# Altium PCB Main_Board.PcbDoc (part 9 of 19) (continued)
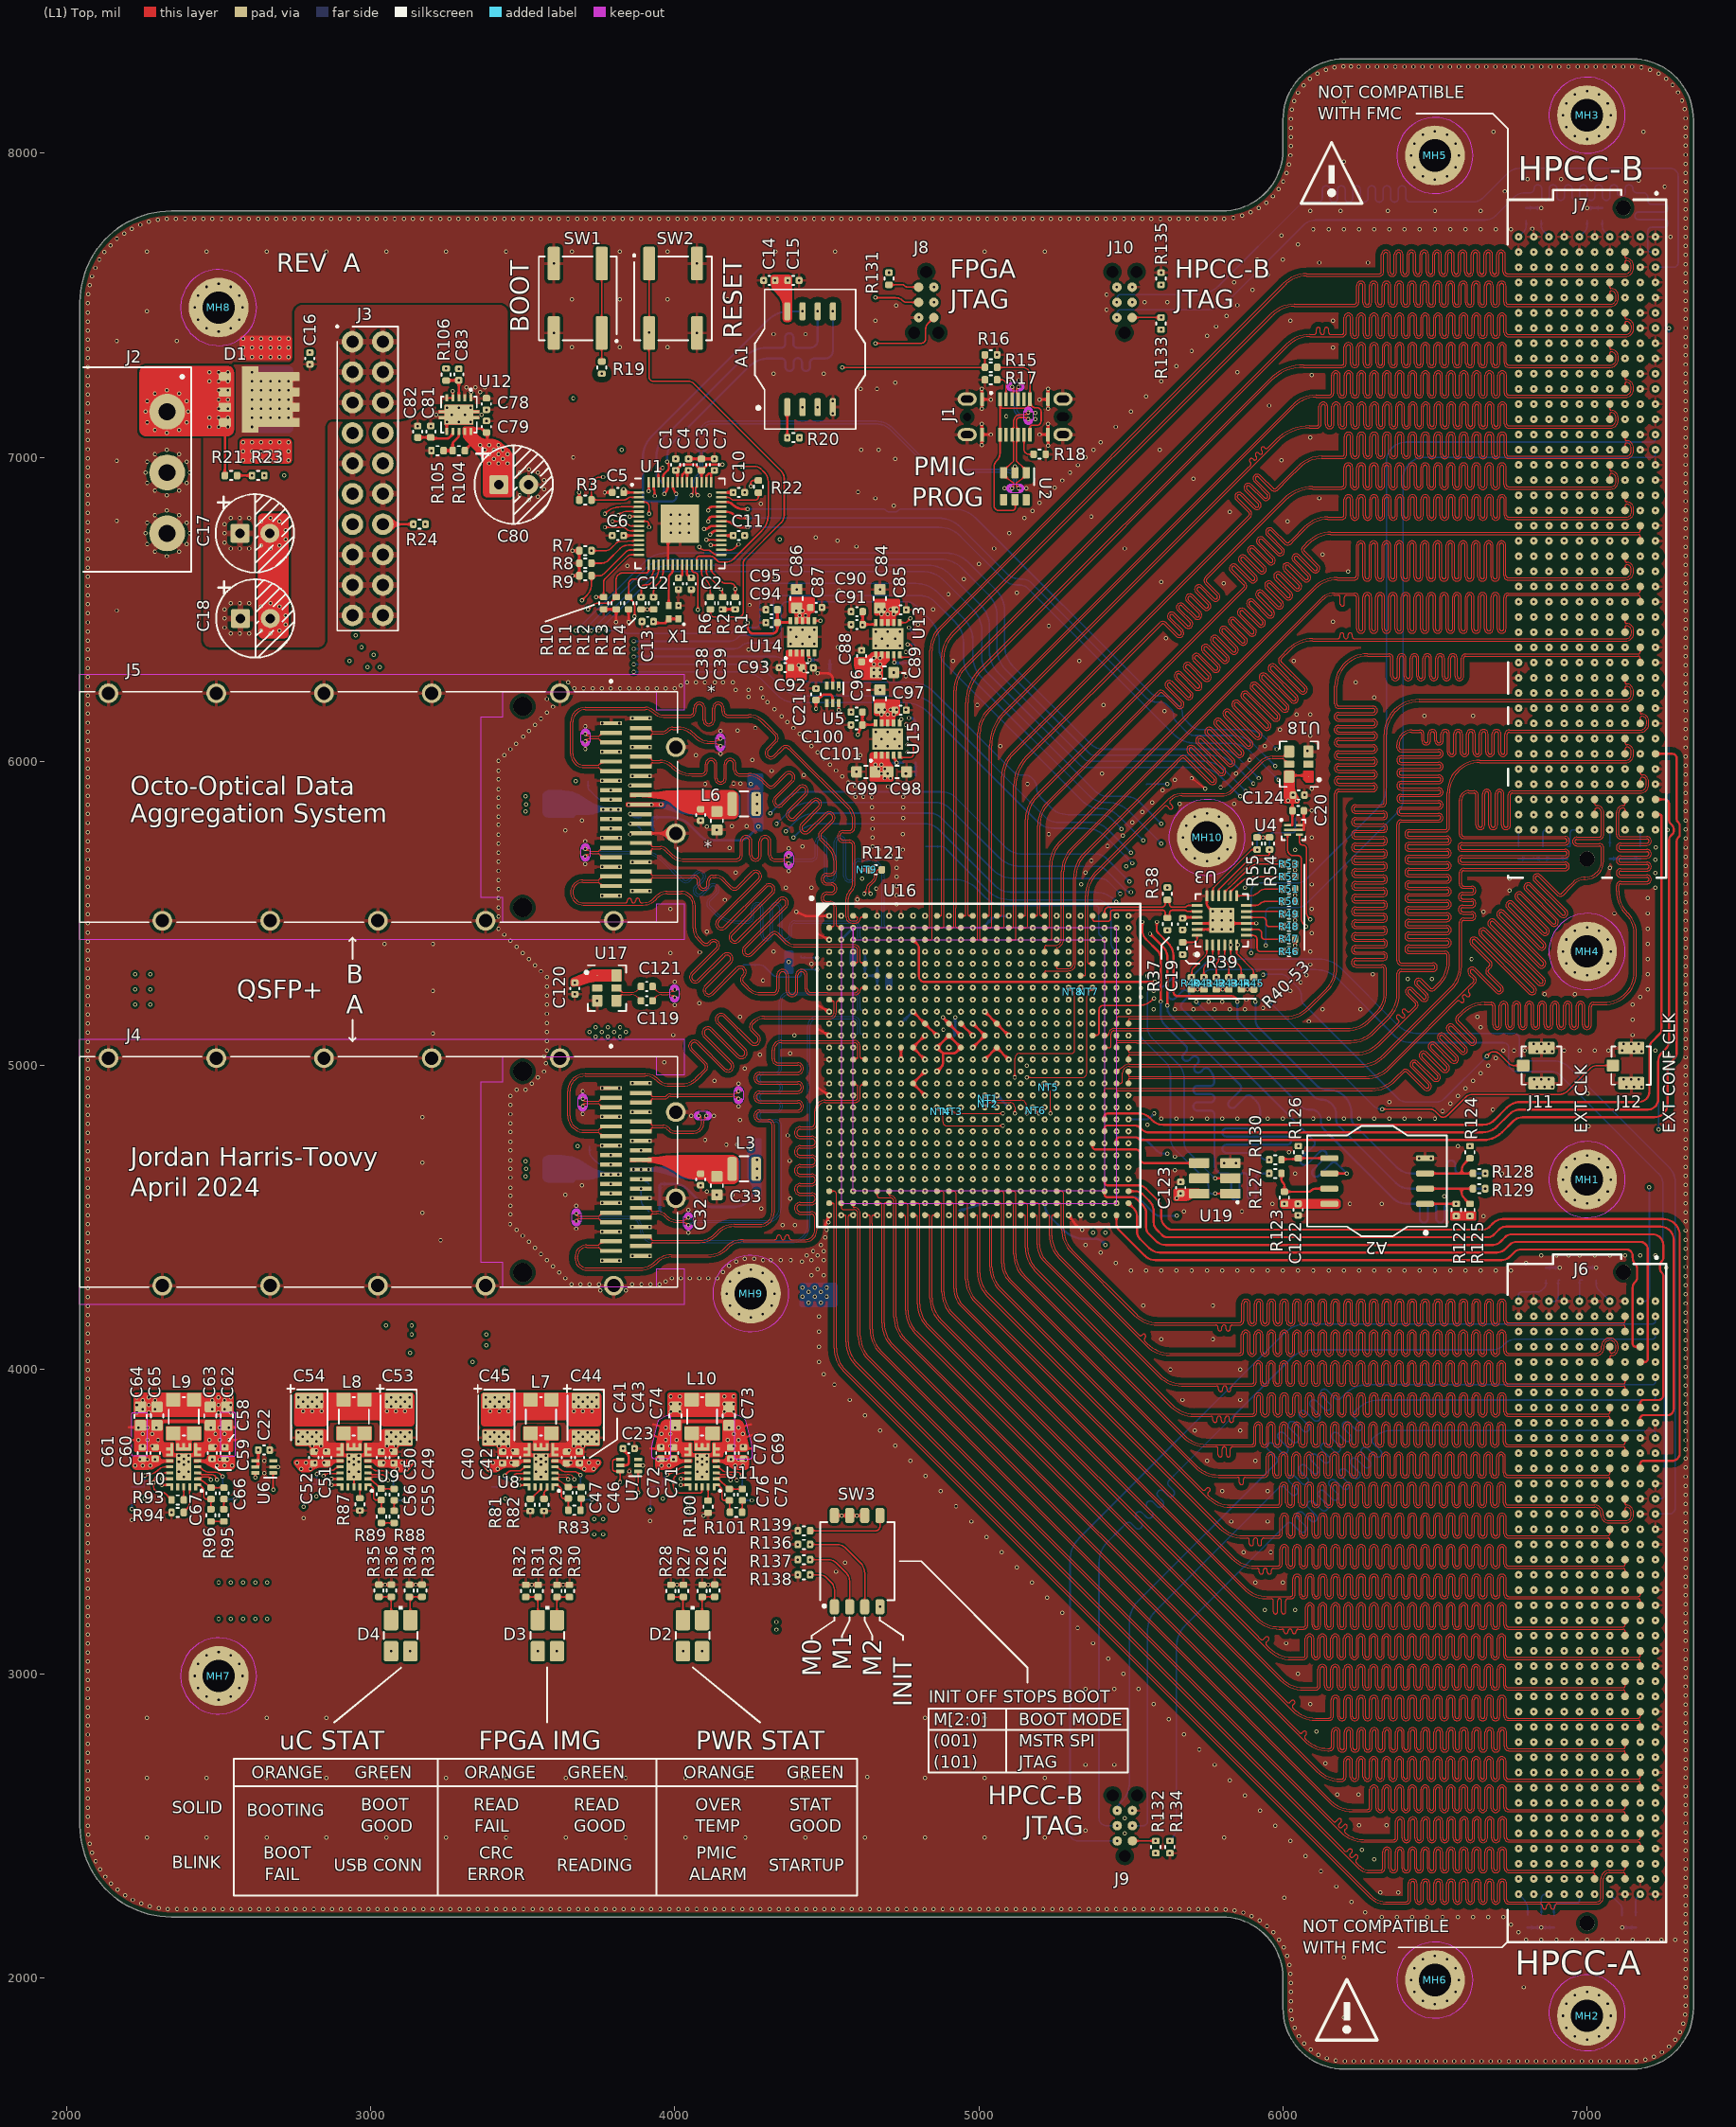
[diagram p0: (L1) Top view]
## Nets (pads, with @x,y where several pads share a name; then routed paths per layer and width w, separated by ;. In a path a pad name is that pad's centre, name@x,y a point inside that pad or via, vN(x,y) a via of type N, cw(c..) or ccw(c..) an arc to the next point about the centre after c; other vN are vias at no path point) (continued)
HPCC_A_63_P: J6.J2 U16.V18 | length 4011.7
  (L8) Inner 7 w3.5: v1(5177.17,4822.83) 5177.17,4809.39 ccw(c5186.9,4809.39) 5186.9,4799.65 5295,4799.65 cw(c5295,4783.2) 5311.45,4783.2 5311.45,4483.77 cw(c5308.97,4483.77) 5310.72,4482.02 ccw(c5312.47,4480.27) 5310,4480.27 5310,4411.19 ccw(c5391.19,4411.19) 5333.78,4353.78 5510.49,4177.07 ccw(c5587.42,4254) 5587.42,4145.2 6180,4145.2 6207.35,4145.2 ccw(c6207.35,4160.75) 6222.9,4160.75 6222.9,4217.61 cw(c6229.65,4217.61) 6236.4,4217.61 6236.4,4159.9 ccw(c6251.95,4159.9) 6267.5,4159.9 6267.5,4217.61 cw(c6274.25,4217.61) 6281,4217.61 6281,4159.9 ccw(c6296.55,4159.9) 6312.1,4159.9 6312.1,4217.61 cw(c6318.85,4217.61) 6325.6,4217.61 6325.6,4159.9 ccw(c6341.15,4159.9) 6356.7,4159.9 6356.7,4217.61 cw(c6363.45,4217.61) 6370.2,4217.61 6370.2,4159.9 ccw(c6385.75,4159.9) 6401.3,4159.9 6401.3,4217.61 cw(c6408.05,4217.61) 6414.8,4217.61 6414.8,4159.9 ccw(c6430.35,4159.9) 6445.9,4159.9 6445.9,4217.61 cw(c6452.65,4217.61) 6459.4,4217.61 6459.4,4159.9 ccw(c6474.95,4159.9) 6490.5,4159.9 6490.5,4217.61 cw(c6497.25,4217.61) 6504,4217.61 6504,4159.9 ccw(c6519.55,4159.9) 6535.1,4159.9 6535.1,4217.61 cw(c6541.85,4217.61) 6548.6,4217.61 6548.6,4159.9 ccw(c6564.15,4159.9) 6579.7,4159.9 6579.7,4217.61 cw(c6586.45,4217.61) 6593.2,4217.61 6593.2,4159.9 ccw(c6608.75,4159.9) 6624.3,4159.9 6624.3,4217.61 cw(c6631.05,4217.61) 6637.8,4217.61 6637.8,4159.9 ccw(c6653.35,4159.9) 6668.9,4159.9 6668.9,4217.61 cw(c6675.65,4217.61) 6682.4,4217.61 6682.4,4159.9 ccw(c6697.95,4159.9) 6713.5,4159.9 6713.5,4217.61 cw(c6720.25,4217.61) 6727,4217.61 6727,4160.75 ccw(c6742.55,4160.75) 6742.55,4145.2 6771,4145.2 6778.8,4145.2 cw(c6778.8,4129) 6795,4129 6795,4119.2 ccw(c6819,4119.2) 6819,4095.2 6833,4095.2 ccw(c6833,4118) 6855.8,4118 6855.8,4129 ccw(c6830,4129) 6830,4154.8 cw(c6830,4159.8) 6825,4159.8 v1(6825,4175)
HPCC_A_64_N: J6.J7 U16.W16 | length 4161.5
  (L3) Inner 2 w3.5: v1(5098.43,4783.46) 5085.92,4783.46 ccw(c5085.92,4779.96) 5083.44,4782.44 ccw(c5085.92,4779.96) 5082.42,4779.96 5082.42,4359.01 ccw(c5182.42,4359.01) 5111.7,4288.3 5416.71,3983.29 ccw(c5487.42,4054) 5487.42,3954 6088,3954 6111.75,3954 ccw(c6111.75,3960.75) 6118.5,3960.75 6118.5,3974.14 cw(c6125.25,3974.14) 6132,3974.14 6132,3960.75 ccw(c6138.75,3960.75) 6138.75,3954 6154,3954 6154.05,3954 6160.2,3954 ccw(c6160.2,3960.75) 6166.95,3960.75 6166.95,4010.66 cw(c6182.5,4010.66) 6198.05,4010.66 6198.05,3960.7 ccw(c6204.8,3960.7) 6211.55,3960.7 6211.55,4010.66 cw(c6227.1,4010.66) 6242.65,4010.66 6242.65,3960.7 ccw(c6249.4,3960.7) 6256.15,3960.7 6256.15,4010.66 cw(c6271.7,4010.66) 6287.25,4010.66 6287.25,3960.7 ccw(c6294,3960.7) 6300.75,3960.7 6300.75,4010.66 cw(c6316.3,4010.66) 6331.85,4010.66 6331.85,3960.7 ccw(c6338.6,3960.7) 6345.35,3960.7 6345.35,4010.66 cw(c6360.9,4010.66) 6376.45,4010.66 6376.45,3960.7 ccw(c6383.2,3960.7) 6389.95,3960.7 6389.95,4010.66 cw(c6405.5,4010.66) 6421.05,4010.66 6421.05,3960.7 ccw(c6427.8,3960.7) 6434.55,3960.7 6434.55,4010.66 cw(c6450.1,4010.66) 6465.65,4010.66 6465.65,3960.7 ccw(c6472.4,3960.7) 6479.15,3960.7 6479.15,4010.66 cw(c6494.7,4010.66) 6510.25,4010.66 6510.25,3960.7 ccw(c6517,3960.7) 6523.75,3960.7 6523.75,4010.66 cw(c6539.3,4010.66) 6554.85,4010.66 6554.85,3960.7 ccw(c6561.6,3960.7) 6568.35,3960.7 6568.35,4010.66 cw(c6583.9,4010.66) 6599.45,4010.66 6599.45,3960.7 ccw(c6606.2,3960.7) 6612.95,3960.7 6612.95,4010.66 cw(c6628.5,4010.66) 6644.05,4010.66 6644.05,3960.7 ccw(c6650.8,3960.7) 6657.55,3960.7 6657.55,4010.66 cw(c6673.1,4010.66) 6688.65,4010.66 6688.65,3960.7 ccw(c6695.4,3960.7) 6702.15,3960.7 6702.15,4010.66 cw(c6717.7,4010.66) 6733.25,4010.66 6733.25,3960.75 ccw(c6740,3960.75) 6740,3954 6774.69,3954 6781.8,3954 cw(c6781.8,3932) 6803.8,3932 6803.8,3919.2 ccw(c6818,3919.2) 6818,3905 6832.59,3905 ccw(c6832.59,3918.41) 6846,3918.41 6846,3930 ccw(c6829,3930) 6829,3947 ccw(c6829,3943) 6825,3943 v1(6825,3925)
HPCC_A_64_P: J6.J6 U16.W15 | length 4158.4
  (L3) Inner 2 w3.5: v1(5059.06,4783.46) 5071.57,4783.46 cw(c5071.57,4779.96) 5074.04,4782.44 cw(c5071.56,4779.96) 5075.07,4779.96 5075.07,4483.77 cw(c5072.59,4483.77) 5074.34,4482.02 ccw(c5076.09,4480.27) 5073.62,4480.27 5073.62,4359.01 ccw(c5182.42,4359.01) 5105.48,4282.07 5410.49,3977.07 ccw(c5487.42,4054) 5487.42,3945.2 6154.05,3945.2 6160.2,3945.2 ccw(c6160.2,3960.75) 6175.75,3960.75 6175.75,4010.66 cw(c6182.5,4010.66) 6189.25,4010.66 6189.25,3960.7 ccw(c6204.8,3960.7) 6220.35,3960.7 6220.35,4010.66 cw(c6227.1,4010.66) 6233.85,4010.66 6233.85,3960.7 ccw(c6249.4,3960.7) 6264.95,3960.7 6264.95,4010.66 cw(c6271.7,4010.66) 6278.45,4010.66 6278.45,3960.7 ccw(c6294,3960.7) 6309.55,3960.7 6309.55,4010.66 cw(c6316.3,4010.66) 6323.05,4010.66 6323.05,3960.7 ccw(c6338.6,3960.7) 6354.15,3960.7 6354.15,4010.66 cw(c6360.9,4010.66) 6367.65,4010.66 6367.65,3960.7 ccw(c6383.2,3960.7) 6398.75,3960.7 6398.75,4010.66 cw(c6405.5,4010.66) 6412.25,4010.66 6412.25,3960.7 ccw(c6427.8,3960.7) 6443.35,3960.7 6443.35,4010.66 cw(c6450.1,4010.66) 6456.85,4010.66 6456.85,3960.7 ccw(c6472.4,3960.7) 6487.95,3960.7 6487.95,4010.66 cw(c6494.7,4010.66) 6501.45,4010.66 6501.45,3960.7 ccw(c6517,3960.7) 6532.55,3960.7 6532.55,4010.66 cw(c6539.3,4010.66) 6546.05,4010.66 6546.05,3960.7 ccw(c6561.6,3960.7) 6577.15,3960.7 6577.15,4010.66 cw(c6583.9,4010.66) 6590.65,4010.66 6590.65,3960.7 ccw(c6606.2,3960.7) 6621.75,3960.7 6621.75,4010.66 cw(c6628.5,4010.66) 6635.25,4010.66 6635.25,3960.7 ccw(c6650.8,3960.7) 6666.35,3960.7 6666.35,4010.66 cw(c6673.1,4010.66) 6679.85,4010.66 6679.85,3960.7 ccw(c6695.4,3960.7) 6710.95,3960.7 6710.95,4010.66 cw(c6717.7,4010.66) 6724.45,4010.66 6724.45,3960.75 ccw(c6740,3960.75) 6740,3945.2 6774.69,3945.2 6781.8,3945.2 cw(c6781.8,3932) 6795,3932 6795,3919.2 ccw(c6818,3919.2) 6818,3896.2 6832.59,3896.2 ccw(c6832.59,3918.41) 6854.8,3918.41 6854.8,3930 ccw(c6829,3930) 6829,3955.8 cw(c6829,3959.8) 6825,3959.8 v1(6825,3975)
HPCC_A_65_N: J6.J11 U16.W14 | length 4172.2
  (L3) Inner 2 w3.5: v1(5019.69,4783.46) 5030.54,4783.46 cw(c5030.54,4778.37) 5035.64,4778.37 5035.64,4336.99 ccw(c5144.44,4336.99) 5067.5,4260.05 5550.09,3777.47 ccw(c5627.02,3854.4) 5627.02,3745.6 6100.16,3745.6 6115.41,3745.6 cw(c6115.41,3738.85) 6122.16,3738.85 6122.16,3727.35 ccw(c6128.91,3727.35) 6135.66,3727.35 6135.66,3738.85 cw(c6142.41,3738.85) 6142.41,3745.6 6154,3745.6 6160.15,3745.6 ccw(c6160.15,3761.15) 6175.7,3761.15 6175.7,3809.69 cw(c6182.45,3809.69) 6189.2,3809.69 6189.2,3760.73 ccw(c6204.75,3760.73) 6220.3,3760.73 6220.3,3809.69 cw(c6227.05,3809.69) 6233.8,3809.69 6233.8,3760.73 ccw(c6249.35,3760.73) 6264.9,3760.73 6264.9,3809.69 cw(c6271.65,3809.69) 6278.4,3809.69 6278.4,3760.73 ccw(c6293.95,3760.73) 6309.5,3760.73 6309.5,3809.69 cw(c6316.25,3809.69) 6323,3809.69 6323,3760.73 ccw(c6338.55,3760.73) 6354.1,3760.73 6354.1,3809.69 cw(c6360.85,3809.69) 6367.6,3809.69 6367.6,3760.73 ccw(c6383.15,3760.73) 6398.7,3760.73 6398.7,3809.69 cw(c6405.45,3809.69) 6412.2,3809.69 6412.2,3760.73 ccw(c6427.75,3760.73) 6443.3,3760.73 6443.3,3809.69 cw(c6450.05,3809.69) 6456.8,3809.69 6456.8,3760.73 ccw(c6472.35,3760.73) 6487.9,3760.73 6487.9,3809.69 cw(c6494.65,3809.69) 6501.4,3809.69 6501.4,3760.73 ccw(c6516.95,3760.73) 6532.5,3760.73 6532.5,3809.69 cw(c6539.25,3809.69) 6546,3809.69 6546,3760.73 ccw(c6561.55,3760.73) 6577.1,3760.73 6577.1,3809.69 cw(c6583.85,3809.69) 6590.6,3809.69 6590.6,3760.73 ccw(c6606.15,3760.73) 6621.7,3760.73 6621.7,3809.69 cw(c6628.45,3809.69) 6635.2,3809.69 6635.2,3760.73 ccw(c6650.75,3760.73) 6666.3,3760.73 6666.3,3809.69 cw(c6673.05,3809.69) 6679.8,3809.69 6679.8,3760.73 ccw(c6695.35,3760.73) 6710.9,3760.73 6710.9,3809.69 cw(c6717.65,3809.69) 6724.4,3809.69 6724.4,3761.15 ccw(c6739.95,3761.15) 6739.95,3745.6 6799,3745.6 6821.5,3745.6 cw(c6821.5,3742.1) 6823.97,3744.57 cw(c6821.5,3742.1) 6825,3742.1 v1(6825,3725)
HPCC_A_65_P: J6.J10 U16.V14 | length 4166
  (L3) Inner 2 w3.5: v1(5019.69,4822.83) 5035.47,4822.83 cw(c5035.47,4815.32) 5042.99,4815.32 5042.99,4483.77 ccw(c5045.46,4483.77) 5043.71,4482.02 cw(c5041.96,4480.27) 5044.44,4480.27 5044.44,4336.99 ccw(c5144.44,4336.99) 5073.72,4266.28 5556.31,3783.69 ccw(c5627.02,3854.4) 5627.02,3754.4 6154,3754.4 6160.15,3754.4 ccw(c6160.15,3761.15) 6166.9,3761.15 6166.9,3809.69 cw(c6182.45,3809.69) 6198,3809.69 6198,3760.73 ccw(c6204.75,3760.73) 6211.5,3760.73 6211.5,3809.69 cw(c6227.05,3809.69) 6242.6,3809.69 6242.6,3760.73 ccw(c6249.35,3760.73) 6256.1,3760.73 6256.1,3809.69 cw(c6271.65,3809.69) 6287.2,3809.69 6287.2,3760.73 ccw(c6293.95,3760.73) 6300.7,3760.73 6300.7,3809.69 cw(c6316.25,3809.69) 6331.8,3809.69 6331.8,3760.73 ccw(c6338.55,3760.73) 6345.3,3760.73 6345.3,3809.69 cw(c6360.85,3809.69) 6376.4,3809.69 6376.4,3760.73 ccw(c6383.15,3760.73) 6389.9,3760.73 6389.9,3809.69 cw(c6405.45,3809.69) 6421,3809.69 6421,3760.73 ccw(c6427.75,3760.73) 6434.5,3760.73 6434.5,3809.69 cw(c6450.05,3809.69) 6465.6,3809.69 6465.6,3760.73 ccw(c6472.35,3760.73) 6479.1,3760.73 6479.1,3809.69 cw(c6494.65,3809.69) 6510.2,3809.69 6510.2,3760.73 ccw(c6516.95,3760.73) 6523.7,3760.73 6523.7,3809.69 cw(c6539.25,3809.69) 6554.8,3809.69 6554.8,3760.73 ccw(c6561.55,3760.73) 6568.3,3760.73 6568.3,3809.69 cw(c6583.85,3809.69) 6599.4,3809.69 6599.4,3760.73 ccw(c6606.15,3760.73) 6612.9,3760.73 6612.9,3809.69 cw(c6628.45,3809.69) 6644,3809.69 6644,3760.73 ccw(c6650.75,3760.73) 6657.5,3760.73 6657.5,3809.69 cw(c6673.05,3809.69) 6688.6,3809.69 6688.6,3760.73 ccw(c6695.35,3760.73) 6702.1,3760.73 6702.1,3809.69 cw(c6717.65,3809.69) 6733.2,3809.69 6733.2,3761.15 ccw(c6739.95,3761.15) 6739.95,3754.4 6799,3754.4 6821.5,3754.4 ccw(c6821.5,3757.9) 6823.97,3755.43 ccw(c6821.5,3757.9) 6825,3757.9 v1(6825,3775)
HPCC_A_66_N: J6.J15 U16.W11 | length 4425.7
  (L3) Inner 2 w3.5: v1(4901.57,4783.46) 4913.16,4783.46 cw(c4913.16,4778.9) 4917.73,4778.9 4917.73,4274.89 ccw(c5026.53,4274.89) 4949.59,4197.96 5570.09,3577.47 ccw(c5647.02,3654.4) 5647.02,3545.6 6198.92,3545.6 6205.07,3545.6 ccw(c6205.07,3561.15) 6220.62,3561.15 6220.62,3616.83 cw(c6227.37,3616.83) 6234.12,3616.83 6234.12,3560.44 ccw(c6249.67,3560.44) 6265.22,3560.44 6265.22,3616.83 cw(c6271.97,3616.83) 6278.72,3616.83 6278.72,3560.44 ccw(c6294.27,3560.44) 6309.82,3560.44 6309.82,3616.83 cw(c6316.57,3616.83) 6323.32,3616.83 6323.32,3560.44 ccw(c6338.87,3560.44) 6354.42,3560.44 6354.42,3616.83 cw(c6361.17,3616.83) 6367.92,3616.83 6367.92,3560.44 ccw(c6383.47,3560.44) 6399.02,3560.44 6399.02,3616.83 cw(c6405.77,3616.83) 6412.52,3616.83 6412.52,3560.44 ccw(c6428.07,3560.44) 6443.62,3560.44 6443.62,3616.83 cw(c6450.37,3616.83) 6457.12,3616.83 6457.12,3560.44 ccw(c6472.67,3560.44) 6488.22,3560.44 6488.22,3616.83 cw(c6494.97,3616.83) 6501.72,3616.83 6501.72,3560.44 ccw(c6517.27,3560.44) 6532.82,3560.44 6532.82,3616.83 cw(c6539.57,3616.83) 6546.32,3616.83 6546.32,3560.44 ccw(c6561.87,3560.44) 6577.42,3560.44 6577.42,3616.83 cw(c6584.17,3616.83) 6590.92,3616.83 6590.92,3560.44 ccw(c6606.47,3560.44) 6622.02,3560.44 6622.02,3616.83 cw(c6628.77,3616.83) 6635.52,3616.83 6635.52,3560.44 ccw(c6651.07,3560.44) 6666.62,3560.44 6666.62,3616.83 cw(c6673.37,3616.83) 6680.12,3616.83 6680.12,3560.44 ccw(c6695.67,3560.44) 6711.22,3560.44 6711.22,3616.83 cw(c6717.97,3616.83) 6724.72,3616.83 6724.72,3561.15 ccw(c6740.27,3561.15) 6740.27,3545.6 6795,3545.6 6821.5,3545.6 cw(c6821.5,3542.1) 6823.97,3544.57 cw(c6821.5,3542.1) 6825,3542.1 v1(6825,3525)
HPCC_A_66_P: J6.J14 U16.V11 | length 4456.4
  (L3) Inner 2 w3.5: v1(4901.57,4822.83) 4914.58,4822.83 cw(c4914.58,4812.34) 4925.08,4812.34 4925.08,4483.77 ccw(c4927.55,4483.77) 4925.8,4482.02 cw(c4924.05,4480.27) 4926.53,4480.27 4926.53,4274.89 ccw(c5026.53,4274.89) 4955.82,4204.18 5576.31,3583.69 ccw(c5647.02,3654.4) 5647.02,3554.4 6198.92,3554.4 6205.07,3554.4 ccw(c6205.07,3561.15) 6211.82,3561.15 6211.82,3616.83 cw(c6227.37,3616.83) 6242.92,3616.83 6242.92,3560.44 ccw(c6249.67,3560.44) 6256.42,3560.44 6256.42,3616.83 cw(c6271.97,3616.83) 6287.52,3616.83 6287.52,3560.44 ccw(c6294.27,3560.44) 6301.02,3560.44 6301.02,3616.83 cw(c6316.57,3616.83) 6332.12,3616.83 6332.12,3560.44 ccw(c6338.87,3560.44) 6345.62,3560.44 6345.62,3616.83 cw(c6361.17,3616.83) 6376.72,3616.83 6376.72,3560.44 ccw(c6383.47,3560.44) 6390.22,3560.44 6390.22,3616.83 cw(c6405.77,3616.83) 6421.32,3616.83 6421.32,3560.44 ccw(c6428.07,3560.44) 6434.82,3560.44 6434.82,3616.83 cw(c6450.37,3616.83) 6465.92,3616.83 6465.92,3560.44 ccw(c6472.67,3560.44) 6479.42,3560.44 6479.42,3616.83 cw(c6494.97,3616.83) 6510.52,3616.83 6510.52,3560.44 ccw(c6517.27,3560.44) 6524.02,3560.44 6524.02,3616.83 cw(c6539.57,3616.83) 6555.12,3616.83 6555.12,3560.44 ccw(c6561.87,3560.44) 6568.62,3560.44 6568.62,3616.83 cw(c6584.17,3616.83) 6599.72,3616.83 6599.72,3560.44 ccw(c6606.47,3560.44) 6613.22,3560.44 6613.22,3616.83 cw(c6628.77,3616.83) 6644.32,3616.83 6644.32,3560.44 ccw(c6651.07,3560.44) 6657.82,3560.44 6657.82,3616.83 cw(c6673.37,3616.83) 6688.92,3616.83 6688.92,3560.44 ccw(c6695.67,3560.44) 6702.42,3560.44 6702.42,3616.83 cw(c6717.97,3616.83) 6733.52,3616.83 6733.52,3561.15 ccw(c6740.27,3561.15) 6740.27,3554.4 6795,3554.4 6821.5,3554.4 ccw(c6821.5,3557.9) 6823.97,3555.43 ccw(c6821.5,3557.9) 6825,3557.9 v1(6825,3575)
HPCC_A_67_N: J6.J19 U16.W9 | length 4348.8
  (L3) Inner 2 w3.5: v1(4822.83,4783.46) 4835.34,4783.46 cw(c4835.34,4779.96) 4837.82,4782.44 cw(c4835.34,4779.96) 4838.84,4779.96 4838.84,4233.78 ccw(c4947.64,4233.78) 4870.71,4156.84 5650.09,3377.47 ccw(c5727.02,3454.4) 5727.02,3345.6 6245.56,3345.6 6251.71,3345.6 ccw(c6251.71,3361.15) 6267.26,3361.15 6267.26,3411.11 cw(c6274.01,3411.11) 6280.76,3411.11 6280.76,3360.39 ccw(c6296.31,3360.39) 6311.86,3360.39 6311.86,3411.11 cw(c6318.61,3411.11) 6325.36,3411.11 6325.36,3360.39 ccw(c6340.91,3360.39) 6356.46,3360.39 6356.46,3411.11 cw(c6363.21,3411.11) 6369.96,3411.11 6369.96,3360.39 ccw(c6385.51,3360.39) 6401.06,3360.39 6401.06,3411.11 cw(c6407.81,3411.11) 6414.56,3411.11 6414.56,3360.39 ccw(c6430.11,3360.39) 6445.66,3360.39 6445.66,3411.11 cw(c6452.41,3411.11) 6459.16,3411.11 6459.16,3360.39 ccw(c6474.71,3360.39) 6490.26,3360.39 6490.26,3411.11 cw(c6497.01,3411.11) 6503.76,3411.11 6503.76,3360.39 ccw(c6519.31,3360.39) 6534.86,3360.39 6534.86,3411.11 cw(c6541.61,3411.11) 6548.36,3411.11 6548.36,3360.39 ccw(c6563.91,3360.39) 6579.46,3360.39 6579.46,3411.11 cw(c6586.21,3411.11) 6592.96,3411.11 6592.96,3360.39 ccw(c6608.51,3360.39) 6624.06,3360.39 6624.06,3411.11 cw(c6630.81,3411.11) 6637.56,3411.11 6637.56,3360.39 ccw(c6653.11,3360.39) 6668.66,3360.39 6668.66,3411.11 cw(c6675.41,3411.11) 6682.16,3411.11 6682.16,3360.39 ccw(c6697.71,3360.39) 6713.26,3360.39 6713.26,3411.11 cw(c6720.01,3411.11) 6726.76,3411.11 6726.76,3361.15 ccw(c6742.31,3361.15) 6742.31,3345.6 6800,3345.6 6821.5,3345.6 cw(c6821.5,3342.1) 6823.97,3344.57 cw(c6821.5,3342.1) 6825,3342.1 v1(6825,3325)
HPCC_A_67_P: J6.J18 U16.W10 | length 4335.4
  (L3) Inner 2 w3.5: v1(4862.2,4783.46) 4849.69,4783.46 ccw(c4849.69,4779.96) 4847.22,4782.44 ccw(c4849.69,4779.96) 4846.19,4779.96 4846.19,4483.77 ccw(c4848.67,4483.77) 4846.92,4482.02 cw(c4845.17,4480.27) 4847.64,4480.27 4847.64,4233.78 ccw(c4947.64,4233.78) 4876.93,4163.07 5656.31,3383.69 ccw(c5727.02,3454.4) 5727.02,3354.4 6245.56,3354.4 6251.71,3354.4 ccw(c6251.71,3361.15) 6258.46,3361.15 6258.46,3411.11 cw(c6274.01,3411.11) 6289.56,3411.11 6289.56,3360.39 ccw(c6296.31,3360.39) 6303.06,3360.39 6303.06,3411.11 cw(c6318.61,3411.11) 6334.16,3411.11 6334.16,3360.39 ccw(c6340.91,3360.39) 6347.66,3360.39 6347.66,3411.11 cw(c6363.21,3411.11) 6378.76,3411.11 6378.76,3360.39 ccw(c6385.51,3360.39) 6392.26,3360.39 6392.26,3411.11 cw(c6407.81,3411.11) 6423.36,3411.11 6423.36,3360.39 ccw(c6430.11,3360.39) 6436.86,3360.39 6436.86,3411.11 cw(c6452.41,3411.11) 6467.96,3411.11 6467.96,3360.39 ccw(c6474.71,3360.39) 6481.46,3360.39 6481.46,3411.11 cw(c6497.01,3411.11) 6512.56,3411.11 6512.56,3360.39 ccw(c6519.31,3360.39) 6526.06,3360.39 6526.06,3411.11 cw(c6541.61,3411.11) 6557.16,3411.11 6557.16,3360.39 ccw(c6563.91,3360.39) 6570.66,3360.39 6570.66,3411.11 cw(c6586.21,3411.11) 6601.76,3411.11 6601.76,3360.39 ccw(c6608.51,3360.39) 6615.26,3360.39 6615.26,3411.11 cw(c6630.81,3411.11) 6646.36,3411.11 6646.36,3360.39 ccw(c6653.11,3360.39) 6659.86,3360.39 6659.86,3411.11 cw(c6675.41,3411.11) 6690.96,3411.11 6690.96,3360.39 ccw(c6697.71,3360.39) 6704.46,3360.39 6704.46,3411.11 cw(c6720.01,3411.11) 6735.56,3411.11 6735.56,3361.15 ccw(c6742.31,3361.15) 6742.31,3354.4 6800,3354.4 6821.5,3354.4 ccw(c6821.5,3357.9) 6823.97,3355.43 ccw(c6821.5,3357.9) 6825,3357.9 v1(6825,3375)
HPCC_A_68_N: J6.J23 U16.V7 | length 4365.3
  (L3) Inner 2 w3.5: v1(4744.09,4822.83) 4756.6,4822.83 cw(c4756.6,4819.33) 4759.08,4821.81 cw(c4756.6,4819.33) 4760.1,4819.33 4760.1,4485 ccw(c4760.1,4483.55) 4758.65,4483.55 4758.65,4193.97 ccw(c4867.45,4193.97) 4790.52,4117.03 5730.09,3177.47 ccw(c5807.02,3254.4) 5807.02,3145.6 6334,3145.6 6340.15,3145.6 ccw(c6340.15,3161.15) 6355.7,3161.15 6355.7,3213.51 cw(c6362.45,3213.51) 6369.2,3213.51 6369.2,3160.35 ccw(c6384.75,3160.35) 6400.3,3160.35 6400.3,3213.51 cw(c6407.05,3213.51) 6413.8,3213.51 6413.8,3160.35 ccw(c6429.35,3160.35) 6444.9,3160.35 6444.9,3213.51 cw(c6451.65,3213.51) 6458.4,3213.51 6458.4,3160.35 ccw(c6473.95,3160.35) 6489.5,3160.35 6489.5,3213.51 cw(c6496.25,3213.51) 6503,3213.51 6503,3160.35 ccw(c6518.55,3160.35) 6534.1,3160.35 6534.1,3213.51 cw(c6540.85,3213.51) 6547.6,3213.51 6547.6,3160.35 ccw(c6563.15,3160.35) 6578.7,3160.35 6578.7,3213.51 cw(c6585.45,3213.51) 6592.2,3213.51 6592.2,3160.35 ccw(c6607.75,3160.35) 6623.3,3160.35 6623.3,3213.51 cw(c6630.05,3213.51) 6636.8,3213.51 6636.8,3160.35 ccw(c6652.35,3160.35) 6667.9,3160.35 6667.9,3213.51 cw(c6674.65,3213.51) 6681.4,3213.51 6681.4,3160.35 ccw(c6696.95,3160.35) 6712.5,3160.35 6712.5,3213.51 cw(c6719.25,3213.51) 6726,3213.51 6726,3161.15 ccw(c6741.55,3161.15) 6741.55,3145.6 6802,3145.6 6821.5,3145.6 cw(c6821.5,3142.1) 6823.97,3144.57 cw(c6821.5,3142.1) 6825,3142.1 v1(6825,3125)
HPCC_A_68_P: J6.J22 U16.V8 | length 4396.9
  (L3) Inner 2 w3.5: v1(4783.46,4822.83) 4770.95,4822.83 ccw(c4770.95,4819.33) 4768.48,4821.81 ccw(c4770.95,4819.33) 4767.45,4819.33 4767.45,4193.97 ccw(c4867.45,4193.97) 4796.74,4123.26 5736.31,3183.69 ccw(c5807.02,3254.4) 5807.02,3154.4 6279,3154.4 6290.75,3154.4 ccw(c6290.75,3161.15) 6297.5,3161.15 6297.5,3176.59 cw(c6304.25,3176.59) 6311,3176.59 6311,3161.15 ccw(c6317.75,3161.15) 6317.75,3154.4 6333,3154.4 6334,3154.4 6340.15,3154.4 ccw(c6340.15,3161.15) 6346.9,3161.15 6346.9,3213.51 cw(c6362.45,3213.51) 6378,3213.51 6378,3160.35 ccw(c6384.75,3160.35) 6391.5,3160.35 6391.5,3213.51 cw(c6407.05,3213.51) 6422.6,3213.51 6422.6,3160.35 ccw(c6429.35,3160.35) 6436.1,3160.35 6436.1,3213.51 cw(c6451.65,3213.51) 6467.2,3213.51 6467.2,3160.35 ccw(c6473.95,3160.35) 6480.7,3160.35 6480.7,3213.51 cw(c6496.25,3213.51) 6511.8,3213.51 6511.8,3160.35 ccw(c6518.55,3160.35) 6525.3,3160.35 6525.3,3213.51 cw(c6540.85,3213.51) 6556.4,3213.51 6556.4,3160.35 ccw(c6563.15,3160.35) 6569.9,3160.35 6569.9,3213.51 cw(c6585.45,3213.51) 6601,3213.51 6601,3160.35 ccw(c6607.75,3160.35) 6614.5,3160.35 6614.5,3213.51 cw(c6630.05,3213.51) 6645.6,3213.51 6645.6,3160.35 ccw(c6652.35,3160.35) 6659.1,3160.35 6659.1,3213.51 cw(c6674.65,3213.51) 6690.2,3213.51 6690.2,3160.35 ccw(c6696.95,3160.35) 6703.7,3160.35 6703.7,3213.51 cw(c6719.25,3213.51) 6734.8,3213.51 6734.8,3161.15 ccw(c6741.55,3161.15) 6741.55,3154.4 6802,3154.4 6821.5,3154.4 ccw(c6821.5,3157.9) 6823.97,3155.43 ccw(c6821.5,3157.9) 6825,3157.9 v1(6825,3175)
HPCC_A_69_N: J6.J27 U16.U5 | length 4311.2
  (L3) Inner 2 w3.5: v1(4665.35,4862.2) 4677.86,4862.2 cw(c4677.86,4858.7) 4680.34,4861.18 cw(c4677.86,4858.7) 4681.36,4858.7 4681.36,4485 ccw(c4681.36,4483.55) 4679.91,4483.55 4679.91,4152.71 ccw(c4788.71,4152.71) 4711.78,4075.77 5810.09,2977.47 ccw(c5887.02,3054.4) 5887.02,2945.6 6424.82,2945.6 6430.97,2945.6 ccw(c6430.97,2961.15) 6446.52,2961.15 6446.52,3012.63 cw(c6453.27,3012.63) 6460.02,3012.63 6460.02,2960.63 ccw(c6475.57,2960.63) 6491.12,2960.63 6491.12,3012.63 cw(c6497.87,3012.63) 6504.62,3012.63 6504.62,2960.63 ccw(c6520.17,2960.63) 6535.72,2960.63 6535.72,3012.63 cw(c6542.47,3012.63) 6549.22,3012.63 6549.22,2960.63 ccw(c6564.77,2960.63) 6580.32,2960.63 6580.32,3012.63 cw(c6587.07,3012.63) 6593.82,3012.63 6593.82,2960.63 ccw(c6609.37,2960.63) 6624.92,2960.63 6624.92,3012.63 cw(c6631.67,3012.63) 6638.42,3012.63 6638.42,2960.63 ccw(c6653.97,2960.63) 6669.52,2960.63 6669.52,3012.63 cw(c6676.27,3012.63) 6683.02,3012.63 6683.02,2960.63 ccw(c6698.57,2960.63) 6714.12,2960.63 6714.12,3012.63 cw(c6720.87,3012.63) 6727.62,3012.63 6727.62,2961.15 ccw(c6743.17,2961.15) 6743.17,2945.6 6806,2945.6 6821.5,2945.6 cw(c6821.5,2942.1) 6823.97,2944.57 cw(c6821.5,2942.1) 6825,2942.1 v1(6825,2925)
HPCC_A_69_P: J6.J26 U16.U6 | length 4326.5
  (L3) Inner 2 w3.5: v1(4704.72,4862.2) 4692.21,4862.2 ccw(c4692.21,4858.7) 4689.74,4861.18 ccw(c4692.21,4858.7) 4688.71,4858.7 4688.71,4152.71 ccw(c4788.71,4152.71) 4718,4082 5816.31,2983.69 ccw(c5887.02,3054.4) 5887.02,2954.4 6367.53,2954.4 6381.75,2954.4 ccw(c6381.75,2961.15) 6388.5,2961.15 6388.5,2968.42 cw(c6395.25,2968.42) 6402,2968.42 6402,2961.15 ccw(c6408.75,2961.15) 6408.75,2954.4 6424,2954.4 6424.82,2954.4 6430.97,2954.4 ccw(c6430.97,2961.15) 6437.72,2961.15 6437.72,3012.63 cw(c6453.27,3012.63) 6468.82,3012.63 6468.82,2960.63 ccw(c6475.57,2960.63) 6482.32,2960.63 6482.32,3012.63 cw(c6497.87,3012.63) 6513.42,3012.63 6513.42,2960.63 ccw(c6520.17,2960.63) 6526.92,2960.63 6526.92,3012.63 cw(c6542.47,3012.63) 6558.02,3012.63 6558.02,2960.63 ccw(c6564.77,2960.63) 6571.52,2960.63 6571.52,3012.63 cw(c6587.07,3012.63) 6602.62,3012.63 6602.62,2960.63 ccw(c6609.37,2960.63) 6616.12,2960.63 6616.12,3012.63 cw(c6631.67,3012.63) 6647.22,3012.63 6647.22,2960.63 ccw(c6653.97,2960.63) 6660.72,2960.63 6660.72,3012.63 cw(c6676.27,3012.63) 6691.82,3012.63 6691.82,2960.63 ccw(c6698.57,2960.63) 6705.32,2960.63 6705.32,3012.63 cw(c6720.87,3012.63) 6736.42,3012.63 6736.42,2961.15 ccw(c6743.17,2961.15) 6743.17,2954.4 6806,2954.4 6821.5,2954.4 ccw(c6821.5,2957.9) 6823.97,2955.43 ccw(c6821.5,2957.9) 6825,2957.9 v1(6825,2975)
HPCC_A_70_N: J6.J31 U16.W3 | length 4106
  (L3) Inner 2 w3.5: v1(4586.61,4783.46) 4598.23,4783.46 cw(c4598.23,4779.05) 4602.64,4779.05 4602.64,4485 ccw(c4602.64,4483.55) 4601.19,4483.55 4601.19,4111.43 ccw(c4709.99,4111.43) 4633.06,4034.5 5890.09,2777.47 ccw(c5967.02,2854.4) 5967.02,2745.6 6513.66,2745.6 6519.81,2745.6 ccw(c6519.81,2761.15) 6535.36,2761.15 6535.36,2807.68 cw(c6542.11,2807.68) 6548.86,2807.68 6548.86,2761.05 ccw(c6564.41,2761.05) 6579.96,2761.05 6579.96,2807.68 cw(c6586.71,2807.68) 6593.46,2807.68 6593.46,2761.05 ccw(c6609.01,2761.05) 6624.56,2761.05 6624.56,2807.68 cw(c6631.31,2807.68) 6638.06,2807.68 6638.06,2761.05 ccw(c6653.61,2761.05) 6669.16,2761.05 6669.16,2807.68 cw(c6675.91,2807.68) 6682.66,2807.68 6682.66,2761.05 ccw(c6698.21,2761.05) 6713.76,2761.05 6713.76,2807.68 cw(c6720.51,2807.68) 6727.26,2807.68 6727.26,2761.15 ccw(c6742.81,2761.15) 6742.81,2745.6 6790,2745.6 6821.5,2745.6 cw(c6821.5,2742.1) 6823.97,2744.57 cw(c6821.5,2742.1) 6825,2742.1 v1(6825,2725)
HPCC_A_70_P: J6.J30 U16.V3 | length 4190.8
  (L3) Inner 2 w3.5: v1(4586.61,4822.83) 4598.79,4822.83 cw(c4598.79,4811.63) 4609.99,4811.63 4609.99,4111.43 ccw(c4709.99,4111.43) 4639.28,4040.72 5896.31,2783.69 ccw(c5967.02,2854.4) 5967.02,2754.4 6447.82,2754.4 6449.57,2754.4 ccw(c6449.57,2761.15) 6456.32,2761.15 6456.32,2766.62 cw(c6463.07,2766.62) 6469.82,2766.62 6469.82,2759.7 ccw(c6476.57,2759.7) 6483.32,2759.7 6483.32,2766.62 cw(c6490.07,2766.62) 6496.82,2766.62 6496.82,2761.15 ccw(c6503.57,2761.15) 6503.57,2754.4 6513,2754.4 6513.66,2754.4 6519.81,2754.4 ccw(c6519.81,2761.15) 6526.56,2761.15 6526.56,2807.68 cw(c6542.11,2807.68) 6557.66,2807.68 6557.66,2761.05 ccw(c6564.41,2761.05) 6571.16,2761.05 6571.16,2807.68 cw(c6586.71,2807.68) 6602.26,2807.68 6602.26,2761.05 ccw(c6609.01,2761.05) 6615.76,2761.05 6615.76,2807.68 cw(c6631.31,2807.68) 6646.86,2807.68 6646.86,2761.05 ccw(c6653.61,2761.05) 6660.36,2761.05 6660.36,2807.68 cw(c6675.91,2807.68) 6691.46,2807.68 6691.46,2761.05 ccw(c6698.21,2761.05) 6704.96,2761.05 6704.96,2807.68 cw(c6720.51,2807.68) 6736.06,2807.68 6736.06,2761.15 ccw(c6742.81,2761.15) 6742.81,2754.4 6790,2754.4 6821.5,2754.4 ccw(c6821.5,2757.9) 6823.97,2755.43 ccw(c6821.5,2757.9) 6825,2757.9 v1(6825,2775)
HPCC_A_71_N: J6.J35 U16.V1 | length 4052.5
  (L3) Inner 2 w3.5: v1(4507.87,4822.83) 4520.38,4822.83 cw(c4520.38,4819.33) 4522.86,4821.81 cw(c4520.38,4819.33) 4523.88,4819.33 4523.88,4485 ccw(c4523.88,4483.55) 4522.43,4483.55 4522.43,4070.19 ccw(c4631.23,4070.19) 4554.3,3993.25 5970.09,2577.47 ccw(c6047.02,2654.4) 6047.02,2545.6 6602.71,2545.6 6608.86,2545.6 ccw(c6608.86,2561.15) 6624.41,2561.15 6624.41,2600.27 cw(c6631.16,2600.27) 6637.91,2600.27 6637.91,2560.35 ccw(c6653.46,2560.35) 6669.01,2560.35 6669.01,2600.27 cw(c6675.76,2600.27) 6682.51,2600.27 6682.51,2560.35 ccw(c6698.06,2560.35) 6713.61,2560.35 6713.61,2600.27 cw(c6720.36,2600.27) 6727.11,2600.27 6727.11,2561.15 ccw(c6742.66,2561.15) 6742.66,2545.6 6803,2545.6 6821.5,2545.6 cw(c6821.5,2542.1) 6823.97,2544.57 cw(c6821.5,2542.1) 6825,2542.1 v1(6825,2525)
HPCC_A_71_P: J6.J34 U16.V2 | length 4117.9
  (L3) Inner 2 w3.5: v1(4547.24,4822.83) 4534.73,4822.83 ccw(c4534.73,4819.33) 4532.26,4821.81 ccw(c4534.73,4819.33) 4531.23,4819.33 4531.23,4070.19 ccw(c4631.23,4070.19) 4560.52,3999.48 5976.31,2583.69 ccw(c6047.02,2654.4) 6047.02,2554.4 6523.05,2554.4 6532.75,2554.4 ccw(c6532.75,2561.15) 6539.5,2561.15 6539.5,2572.75 cw(c6546.25,2572.75) 6553,2572.75 6553,2559.7 ccw(c6559.75,2559.7) 6566.5,2559.7 6566.5,2572.75 cw(c6573.25,2572.75) 6580,2572.75 6580,2561.15 ccw(c6586.75,2561.15) 6586.75,2554.4 6602,2554.4 6602.71,2554.4 6608.86,2554.4 ccw(c6608.86,2561.15) 6615.61,2561.15 6615.61,2600.27 cw(c6631.16,2600.27) 6646.71,2600.27 6646.71,2560.35 ccw(c6653.46,2560.35) 6660.21,2560.35 6660.21,2600.27 cw(c6675.76,2600.27) 6691.31,2600.27 6691.31,2560.35 ccw(c6698.06,2560.35) 6704.81,2560.35 6704.81,2600.27 cw(c6720.36,2600.27) 6735.91,2600.27 6735.91,2561.15 ccw(c6742.66,2561.15) 6742.66,2554.4 6803,2554.4 6821.5,2554.4 ccw(c6821.5,2557.9) 6823.97,2555.43 ccw(c6821.5,2557.9) 6825,2557.9 v1(6825,2575)
HPCC_A_72_N: J6.J39 U16.Y1 | length 3930.9
  (L8) Inner 7 w3.5: v1(4507.87,4744.09) 4519.34,4744.09 cw(c4519.34,4739.44) 4524,4739.44 4524,4068.62 ccw(c4632.8,4068.62) 4555.87,3991.69 6204.49,2343.07 ccw(c6281.42,2420) 6281.42,2311.2 6406.63,2311.2 6425.35,2311.2 cw(c6425.35,2304.45) 6432.1,2304.45 6432.1,2277.73 ccw(c6447.65,2277.73) 6463.2,2277.73 6463.2,2309.14 cw(c6469.95,2309.14) 6476.7,2309.14 6476.7,2277.73 ccw(c6492.25,2277.73) 6507.8,2277.73 6507.8,2304.45 cw(c6514.55,2304.45) 6514.55,2311.2 6520.7,2311.2 6565.72,2311.2 ccw(c6565.72,2388.28) 6620.22,2333.78 cw(c6649.73,2304.27) 6649.73,2346 6820,2346 cw(c6820,2341) 6825,2341 v1(6825,2325)